# Altium PCB pay-optical-tls2591.PcbDoc (part 4 of 4)
Units mm, origin at the board's own origin, x right, y up, seen from the top; angles counter-clockwise.
Board outline 127 x 55 mm, 4 copper layers (Top Layer, GND, POWER, Bottom Layer), stack 0.778 mm thick; 340 components, 205 nets, 1087 pads, 428 vias.
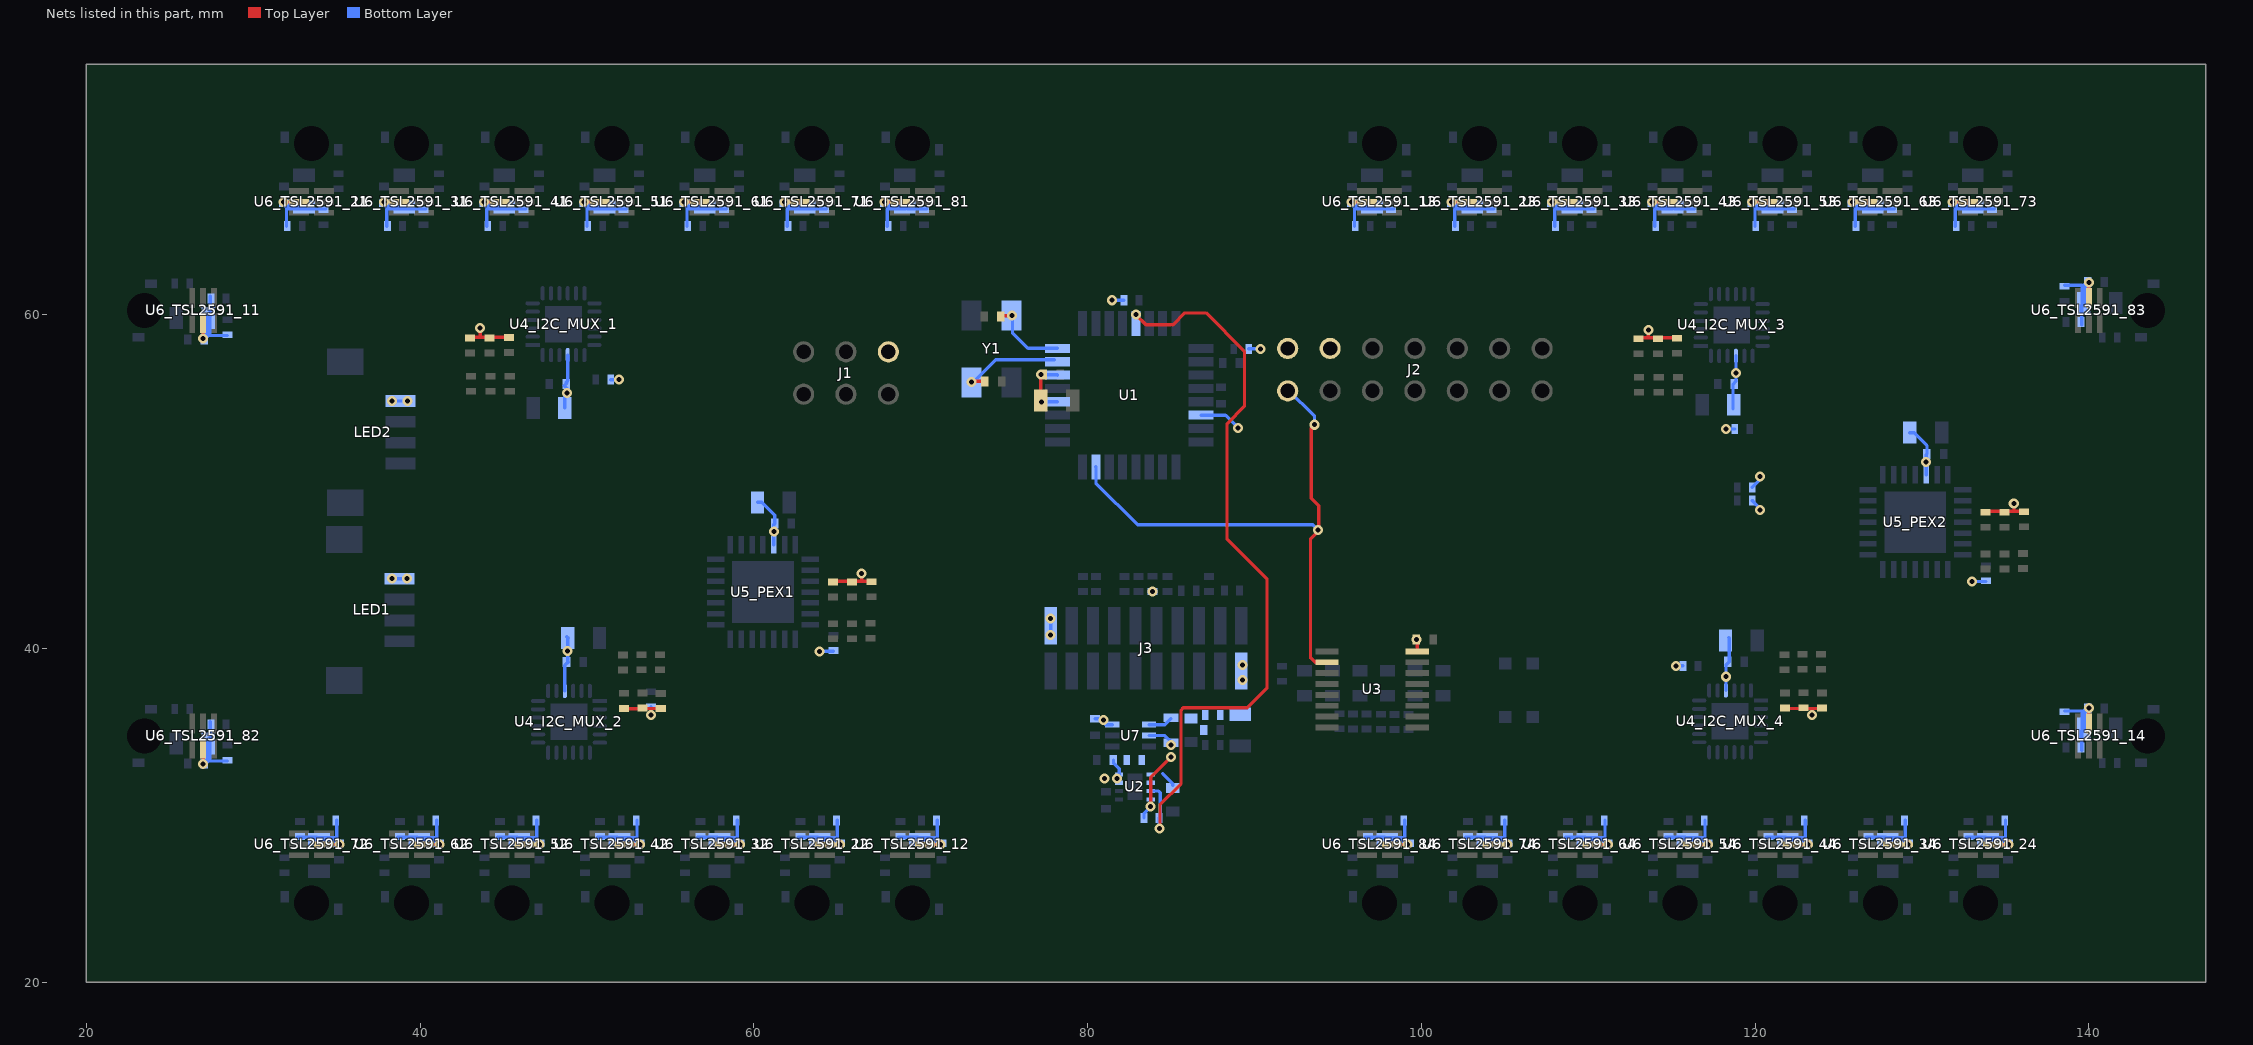
[diagram p6: the nets of this part, all layers, seen from the top]

## Via types
v1: diameter 0.6, hole 0.3, Top Layer to Bottom Layer, tented both sides, 404 vias
v2: diameter 1.3, hole 1, Top Layer to Bottom Layer, 16 vias
v3: diameter 6.5, hole 3.6, Top Layer to Bottom Layer, 8 vias

## Nets (pads, with @x,y where several pads share a name; then routed paths per layer and width w, separated by ;. In a path a pad name is that pad's centre, name@x,y a point inside that pad or via, vN(x,y) a via of type N, cw(c..) or ccw(c..) an arc to the next point about the centre after c; other vN are vias at no path point) (continued)
TX: J2.1 U1.31 U3.2 | length 33.7
  Top Layer w0.2: 93.394,39.406 93.634,39.166 U3.2@94.347,39.166 ; 93.4,39.4 93.352,39.448 93.352,46.552 93.8,47 v1(93.8,47.1) 93.852,47.152 93.852,48.548 93.4,49 93.4,53.2 v1(93.6,53.4)
  Bottom Layer w0.2: U1.31@80.496,50.875 80.5,50.871 80.5,49.902 83.002,47.4 93.5,47.4 v1(93.8,47.1) ; J2.1@92,55.5 93.6,53.9 v1(93.6,53.4)
VCC: C1.2 C2.2 C9.2 C16.2 C20.1 J1.2 J2.2 R1.2 R2.2 R3.2 R25.2 R26.2 R27.2 U1.4 U1.6 U2.1 U2.2 U2.4 U3.16 U7.3 U7.5 | length 14.2
  Top Layer w0.2: C2.2@77.2,54.85 v1(77.2,56.4) ; v1(83.784,30.516) 83.784,32.284 v1@85,33.5 ; v1(99.7,40.538) 99.747,40.491 U3.16@99.747,39.816
  Bottom Layer w0.2: v1(77.2,56.4) 78.196,56.4 U1.6@78.196,56.375 ; v1(77.225,54.775) U1.4@78.196,54.775 ; C20.1@80.455,35.787 80.738,35.787 81.096,35.429 U7.3@81.482,35.429 ; v1(81.46,60.86) R3.2@82.185,60.86 ; R25.2@83.384,29.85 83.384,30.116 v1(83.784,30.516) U2.4@83.784,30.95 ; U7.5@83.682,34.779 84.621,34.779 R26.2@85,34.4 ; 84.5,32.5 85.1,31.9 C16.2@85.1,31.8 ; v1(85,34.2) R26.2@85,34.35 ; R1.2@89.65,57.95 v1(90.35,57.95)
  other v1: 85,33.5 80.95,35.717 83.887,43.412
VCC3V3_R: C7.2 C8.2 L1.2 R26.1 U7.4 | length 1.5
  Bottom Layer w0.2: U7.4@83.682,35.429 84.629,35.429 R26.1@85,35.8
VCC3V3_S: C10_I2C_MUX_1.2 C10_I2C_MUX_2.2 C10_I2C_MUX_3.2 C10_I2C_MUX_4.2 C11_TSL2591_11.2 C11_TSL2591_12.2 C11_TSL2591_13.2 C11_TSL2591_14.2 C11_TSL2591_21.2 C11_TSL2591_22.2 C11_TSL2591_23.2 C11_TSL2591_24.2 C11_TSL2591_31.2 C11_TSL2591_32.2 C11_TSL2591_33.2 C11_TSL2591_34.2 C11_TSL2591_41.2 C11_TSL2591_42.2 C11_TSL2591_43.2 C11_TSL2591_44.2 C11_TSL2591_51.2 C11_TSL2591_52.2 C11_TSL2591_53.2 C11_TSL2591_54.2 C11_TSL2591_61.2 C11_TSL2591_62.2 C11_TSL2591_63.2 C11_TSL2591_64.2 C11_TSL2591_71.2 C11_TSL2591_72.2 C11_TSL2591_73.2 C11_TSL2591_74.2 C11_TSL2591_81.2 C11_TSL2591_82.2 C11_TSL2591_83.2 C11_TSL2591_84.2 C12_PEX1.2 C12_PEX2.2 C13_TSL2591_11.2 C13_TSL2591_12.2 C13_TSL2591_13.2 C13_TSL2591_14.2 C13_TSL2591_21.2 C13_TSL2591_22.2 C13_TSL2591_23.2 C13_TSL2591_24.2 C13_TSL2591_31.2 C13_TSL2591_32.2 C13_TSL2591_33.2 C13_TSL2591_34.2 C13_TSL2591_41.2 C13_TSL2591_42.2 C13_TSL2591_43.2 C13_TSL2591_44.2 C13_TSL2591_51.2 C13_TSL2591_52.2 C13_TSL2591_53.2 C13_TSL2591_54.2 C13_TSL2591_61.2 C13_TSL2591_62.2 C13_TSL2591_63.2 C13_TSL2591_64.2 C13_TSL2591_71.2 C13_TSL2591_72.2 C13_TSL2591_73.2 C13_TSL2591_74.2 C13_TSL2591_81.2 C13_TSL2591_82.2 C13_TSL2591_83.2 C13_TSL2591_84.2 C14_I2C_MUX_1.2 C14_I2C_MUX_2.2 C14_I2C_MUX_3.2 C14_I2C_MUX_4.2 C15_PEX1.2 C15_PEX2.2 C18.2 J2.4 LED1.1 LED2.1 R14.2 R15.2 R22_TSL2591_11.2 R22_TSL2591_12.2 R22_TSL2591_13.2 R22_TSL2591_14.2 R22_TSL2591_21.2 R22_TSL2591_22.2 R22_TSL2591_23.2 R22_TSL2591_24.2 R22_TSL2591_31.2 R22_TSL2591_32.2 R22_TSL2591_33.2 R22_TSL2591_34.2 R22_TSL2591_41.2 R22_TSL2591_42.2 R22_TSL2591_43.2 R22_TSL2591_44.2 R22_TSL2591_51.2 R22_TSL2591_52.2 R22_TSL2591_53.2 R22_TSL2591_54.2 R22_TSL2591_61.2 R22_TSL2591_62.2 R22_TSL2591_63.2 R22_TSL2591_64.2 R22_TSL2591_71.2 R22_TSL2591_72.2 R22_TSL2591_73.2 R22_TSL2591_74.2 R22_TSL2591_81.2 R22_TSL2591_82.2 R22_TSL2591_83.2 R22_TSL2591_84.2 R23_TSL2591_11.2 R23_TSL2591_12.2 R23_TSL2591_13.2 R23_TSL2591_14.2 R23_TSL2591_21.2 R23_TSL2591_22.2 R23_TSL2591_23.2 R23_TSL2591_24.2 R23_TSL2591_31.2 R23_TSL2591_32.2 R23_TSL2591_33.2 R23_TSL2591_34.2 R23_TSL2591_41.2 R23_TSL2591_42.2 R23_TSL2591_43.2 R23_TSL2591_44.2 R23_TSL2591_51.2 R23_TSL2591_52.2 R23_TSL2591_53.2 R23_TSL2591_54.2 R23_TSL2591_61.2 R23_TSL2591_62.2 R23_TSL2591_63.2 R23_TSL2591_64.2 R23_TSL2591_71.2 R23_TSL2591_72.2 R23_TSL2591_73.2 R23_TSL2591_74.2 R23_TSL2591_81.2 R23_TSL2591_82.2 R23_TSL2591_83.2 R23_TSL2591_84.2 R27.1 R32_PEX1.2 R32_PEX2.2 R33_PEX1.2 R33_PEX2.2 R34_PEX1.2 R34_PEX2.2 R35_PEX1.2 R35_PEX2.2 R39_I2C_MUX_1.2 R39_I2C_MUX_2.2 R39_I2C_MUX_3.2 R39_I2C_MUX_4.2 R40_I2C_MUX_1.2 R40_I2C_MUX_2.2 R40_I2C_MUX_3.2 R40_I2C_MUX_4.2 R41_I2C_MUX_1.2 R41_I2C_MUX_2.2 R41_I2C_MUX_3.2 R41_I2C_MUX_4.2 R45_I2C_MUX_1.2 R45_I2C_MUX_2.2 R45_I2C_MUX_3.2 R45_I2C_MUX_4.2 U1.22 U2.7 U2.8 U4_I2C_MUX_1.21 U4_I2C_MUX_2.21 U4_I2C_MUX_3.21 U4_I2C_MUX_4.21 U5_PEX1.5 U5_PEX2.5 U6_TSL2591_11.5 U6_TSL2591_12.5 U6_TSL2591_13.5 U6_TSL2591_14.5 U6_TSL2591_21.5 U6_TSL2591_22.5 U6_TSL2591_23.5 U6_TSL2591_24.5 U6_TSL2591_31.5 U6_TSL2591_32.5 U6_TSL2591_33.5 U6_TSL2591_34.5 U6_TSL2591_41.5 U6_TSL2591_42.5 U6_TSL2591_43.5 U6_TSL2591_44.5 U6_TSL2591_51.5 U6_TSL2591_52.5 U6_TSL2591_53.5 U6_TSL2591_54.5 U6_TSL2591_61.5 U6_TSL2591_62.5 U6_TSL2591_63.5 U6_TSL2591_64.5 U6_TSL2591_71.5 U6_TSL2591_72.5 U6_TSL2591_73.5 U6_TSL2591_74.5 U6_TSL2591_81.5 U6_TSL2591_82.5 U6_TSL2591_83.5 U6_TSL2591_84.5 | length 201.8
  Top Layer w0.2: U6_TSL2591_82.5@27,34 v1(27.001,33.078) v1(27.001,33.078) ; U6_TSL2591_11.5@27,59.5 27,58.579 v1(27.001,58.578) ; v1(31.828,66.749) 31.829,66.75 U6_TSL2591_21.5@32.75,66.75 ; U6_TSL2591_72.5@34.25,28.25 35.171,28.25 v1(35.172,28.252) ; v1(37.828,66.749) 37.829,66.75 U6_TSL2591_31.5@38.75,66.75 ; U6_TSL2591_62.5@40.25,28.25 41.171,28.25 v1(41.172,28.252) ; R39_I2C_MUX_1.2@43,58.65 43.6,58.65 ; v1(43.6,59.2) 43.6,58.65 ; v1(43.828,66.749) 43.829,66.75 U6_TSL2591_41.5@44.75,66.75 ; R41_I2C_MUX_1.2@45.425,58.65 43.6,58.65 ; U6_TSL2591_52.5@46.25,28.25 47.171,28.25 v1(47.172,28.252) ; v1(49.828,66.749) 49.829,66.75 U6_TSL2591_51.5@50.75,66.75 ; R39_I2C_MUX_2.2@52.1,36.376 53.529,36.376 53.554,36.401 53.841,36.401 ; U6_TSL2591_42.5@52.25,28.25 53.171,28.25 v1(53.172,28.252) ; v1(53.841,36) 53.841,36.401 ; R41_I2C_MUX_2.2@54.423,36.401 53.841,36.401 ; v1(55.828,66.749) 55.829,66.75 U6_TSL2591_61.5@56.75,66.75 ; U6_TSL2591_32.5@58.25,28.25 59.171,28.25 v1(59.172,28.252) ; v1(61.828,66.749) 61.829,66.75 U6_TSL2591_71.5@62.75,66.75 ; U6_TSL2591_22.5@64.25,28.25 65.171,28.25 v1(65.172,28.252) ; R35_PEX1.2@64.745,44.026 66.458,44.026 ; v1(66.445,44.5) 66.458,44.487 66.458,44.026 ; R33_PEX1.2@67.046,44.051 67.02,44.026 66.458,44.026 ; v1(67.828,66.749) 67.829,66.75 U6_TSL2591_81.5@68.75,66.75 ; U6_TSL2591_12.5@70.25,28.25 71.171,28.25 v1(71.172,28.252) ; v1(95.82,66.748) 95.821,66.75 U6_TSL2591_13.5@96.742,66.75 ; U6_TSL2591_84.5@98.25,28.25 99.171,28.25 v1(99.172,28.251) ; v1(101.82,66.748) v1(101.82,66.748) U6_TSL2591_23.5@102.742,66.75 ; U6_TSL2591_74.5@104.25,28.25 105.171,28.25 v1(105.172,28.251) ; v1(107.82,66.748) v1(107.82,66.748) U6_TSL2591_33.5@108.742,66.75 ; U6_TSL2591_64.5@110.25,28.25 111.171,28.25 v1(111.172,28.251) ; R39_I2C_MUX_3.2@113,58.603 113.6,58.603 ; v1(113.6,59.087) 113.6,58.603 ; v1(113.82,66.748) v1(113.82,66.748) U6_TSL2591_43.5@114.742,66.75 ; R41_I2C_MUX_3.2@115.425,58.603 113.6,58.603 ; U6_TSL2591_54.5@116.25,28.25 117.171,28.25 v1(117.172,28.251) ; v1(119.82,66.748) 119.821,66.75 U6_TSL2591_53.5@120.742,66.75 ; R39_I2C_MUX_4.2@121.675,36.4 123.4,36.4 ; U6_TSL2591_44.5@122.25,28.25 123.171,28.25 v1(123.172,28.251) ; v1(123.4,36) 123.4,36.4 ; R41_I2C_MUX_4.2@123.998,36.425 123.974,36.4 123.4,36.4 ; v1(125.82,66.748) 125.821,66.75 U6_TSL2591_63.5@126.742,66.75 ; U6_TSL2591_34.5@128.25,28.25 129.171,28.25 v1(129.172,28.251) ; v1(131.82,66.748) v1(131.82,66.748) U6_TSL2591_73.5@132.742,66.75 ; R35_PEX2.2@133.798,48.209 135.51,48.209 ; U6_TSL2591_24.5@134.25,28.25 135.171,28.25 v1(135.172,28.251) ; v1(135.497,48.684) 135.51,48.67 135.51,48.209 ; R33_PEX2.2@136.098,48.235 136.072,48.209 135.51,48.209 ; v1(139.999,36.422) v1(139.999,36.422) U6_TSL2591_14.5@140,35.5 ; v1(139.998,61.921) 140,61.92 U6_TSL2591_83.5@140,60.999
  Bottom Layer w0.2: C13_TSL2591_82.2@27.299,33.376 27.425,33.249 R22_TSL2591_82.2@28.449,33.249 ; C11_TSL2591_82.2@27.299,34.301 27.424,34.426 R23_TSL2591_82.2@27.424,35.603 ; 27.299,58.876 27.425,58.749 R22_TSL2591_11.2@28.449,58.749 ; C11_TSL2591_11.2@27.299,59.801 27.424,59.926 R23_TSL2591_11.2@27.424,61.103 ; R22_TSL2591_21.2@31.999,65.301 31.999,66.325 C13_TSL2591_21.2@32.126,66.451 ; R23_TSL2591_72.2@32.647,28.674 33.824,28.674 C11_TSL2591_72.2@33.949,28.549 ; C11_TSL2591_21.2@33.051,66.451 33.176,66.326 R23_TSL2591_21.2@34.353,66.326 ; C13_TSL2591_72.2@34.874,28.549 35.001,28.676 R22_TSL2591_72.2@35.001,29.699 ; R22_TSL2591_31.2@37.999,65.301 37.999,66.325 C13_TSL2591_31.2@38.126,66.451 ; v1(38.325,44.175) LED1.1@38.763,44.175 v1(39.225,44.175) ; v1(38.325,54.825) LED2.1@38.818,54.825 v1(39.25,54.825) ; R23_TSL2591_62.2@38.647,28.674 39.824,28.674 C11_TSL2591_62.2@39.949,28.549 ; C11_TSL2591_31.2@39.051,66.451 39.176,66.326 R23_TSL2591_31.2@40.353,66.326 ; C13_TSL2591_62.2@40.874,28.549 41.001,28.676 R22_TSL2591_62.2@41.001,29.699 ; R22_TSL2591_41.2@43.999,65.301 43.999,66.325 C13_TSL2591_41.2@44.126,66.451 ; R23_TSL2591_52.2@44.647,28.674 45.824,28.674 C11_TSL2591_52.2@45.949,28.549 ; C11_TSL2591_41.2@45.051,66.451 45.176,66.326 R23_TSL2591_41.2@46.353,66.326 ; C13_TSL2591_52.2@46.874,28.549 47.001,28.676 R22_TSL2591_52.2@47.001,29.699 ; U4_I2C_MUX_2.21@48.675,37.452 48.675,38.975 C10_I2C_MUX_2.2@48.876,39.175 ; C14_I2C_MUX_1.2@48.675,54.4 48.675,55.175 v1(48.8,55.3) 48.8,55.599 48.65,55.75 C10_I2C_MUX_1.2@48.8,55.9 ; C10_I2C_MUX_1.2@48.749,55.951 48.85,56.051 U4_I2C_MUX_1.21@48.85,57.574 ; C10_I2C_MUX_2.2@48.8,39.1 48.876,39.176 48.85,39.201 v1(48.85,39.85) C14_I2C_MUX_2.2@48.85,40.627 ; C14_I2C_MUX_2.2@48.8,40.7 C14_I2C_MUX_2.2@48.876,40.624 ; R22_TSL2591_51.2@49.999,65.301 49.999,66.325 C13_TSL2591_51.2@50.126,66.451 ; R23_TSL2591_42.2@50.647,28.674 51.824,28.674 C11_TSL2591_42.2@51.949,28.549 ; C11_TSL2591_51.2@51.051,66.451 51.176,66.326 R23_TSL2591_51.2@52.353,66.326 ; R45_I2C_MUX_1.2@51.424,56.099 v1(51.925,56.099) ; C13_TSL2591_42.2@52.874,28.549 53.001,28.676 R22_TSL2591_42.2@53.001,29.699 ; v1(53.841,36) R45_I2C_MUX_2.2@53.841,36.501 ; R22_TSL2591_61.2@55.999,65.301 55.999,66.325 C13_TSL2591_61.2@56.126,66.451 ; R23_TSL2591_32.2@56.647,28.674 57.824,28.674 C11_TSL2591_32.2@57.949,28.549 ; C11_TSL2591_61.2@57.051,66.451 57.176,66.326 R23_TSL2591_61.2@58.353,66.326 ; C13_TSL2591_32.2@58.874,28.549 59.001,28.676 R22_TSL2591_32.2@59.001,29.699 ; C12_PEX1.2@60.221,48.747 60.475,48.747 61.246,47.976 C15_PEX1.2@61.246,47.476 61.197,47.427 v1(61.197,47) U5_PEX1.5@61.197,46.211 ; R22_TSL2591_71.2@61.999,65.301 61.999,66.325 C13_TSL2591_71.2@62.126,66.451 ; R23_TSL2591_22.2@62.647,28.674 63.824,28.674 C11_TSL2591_22.2@63.949,28.549 ; C11_TSL2591_71.2@63.051,66.451 63.176,66.326 R23_TSL2591_71.2@64.353,66.326 ; v1(63.931,39.82) R32_PEX1.2@64.774,39.82 ; C13_TSL2591_22.2@64.874,28.549 65.001,28.676 R22_TSL2591_22.2@65.001,29.699 ; R22_TSL2591_81.2@67.999,65.301 67.999,66.325 C13_TSL2591_81.2@68.126,66.451 ; R23_TSL2591_12.2@68.647,28.674 69.824,28.674 C11_TSL2591_12.2@69.949,28.549 ; C11_TSL2591_81.2@69.051,66.451 69.176,66.326 R23_TSL2591_81.2@70.353,66.326 ; 70.874,28.549 71.001,28.676 R22_TSL2591_12.2@71.001,29.699 ; C18.2@81.55,33.3 81.55,33.15 81.9,32.8 81.9,32.3 v1@81.8,32.2 ; U1.22@86.796,53.975 88.267,53.975 89,53.242 v1(89,53.2) ; R22_TSL2591_13.2@95.991,65.301 95.991,66.324 C13_TSL2591_13.2@96.118,66.451 ; R23_TSL2591_84.2@96.647,28.674 97.824,28.674 C11_TSL2591_84.2@97.949,28.549 ; C11_TSL2591_13.2@97.043,66.451 97.168,66.326 R23_TSL2591_13.2@98.345,66.326 ; 98.874,28.549 99.001,28.675 R22_TSL2591_84.2@99.001,29.699 ; R22_TSL2591_23.2@101.991,65.301 101.991,66.324 C13_TSL2591_23.2@102.118,66.451 ; R23_TSL2591_74.2@102.647,28.674 103.824,28.674 C11_TSL2591_74.2@103.949,28.549 ; C11_TSL2591_23.2@103.043,66.451 103.168,66.326 R23_TSL2591_23.2@104.345,66.326 ; C13_TSL2591_74.2@104.874,28.549 105.001,28.675 R22_TSL2591_74.2@105.001,29.699 ; R22_TSL2591_33.2@107.991,65.301 107.991,66.324 C13_TSL2591_33.2@108.118,66.451 ; R23_TSL2591_64.2@108.647,28.674 109.824,28.674 C11_TSL2591_64.2@109.949,28.549 ; C11_TSL2591_33.2@109.043,66.451 109.168,66.326 R23_TSL2591_33.2@110.345,66.326 ; C13_TSL2591_64.2@110.874,28.549 111.001,28.675 R22_TSL2591_64.2@111.001,29.699 ; R22_TSL2591_43.2@113.991,65.301 113.991,66.324 C13_TSL2591_43.2@114.118,66.451 ; R23_TSL2591_54.2@114.647,28.674 115.824,28.674 C11_TSL2591_54.2@115.949,28.549 ; C11_TSL2591_43.2@115.043,66.451 115.168,66.326 R23_TSL2591_43.2@116.345,66.326 ; v1(115.27,38.95) R45_I2C_MUX_4.2@115.675,38.95 ; C13_TSL2591_54.2@116.874,28.549 117.001,28.675 R22_TSL2591_54.2@117.001,29.699 ; v1(118.248,53.148) R45_I2C_MUX_3.2@118.776,53.148 ; U4_I2C_MUX_4.21@118.25,37.475 v1(118.25,38.3) 118.25,38.998 118.45,39.199 118.45,40.624 C14_I2C_MUX_4.2@118.424,40.65 ; C14_I2C_MUX_3.2@118.675,54.352 118.675,55.83 118.849,56.004 v1(118.849,56.5) U4_I2C_MUX_3.21@118.849,57.527 ; R15.2@119.824,49.65 120.3,50.125 v1(120.3,50.3) ; R14.2@119.85,48.85 R14.2@119.824,48.85 120.3,48.375 v1(120.3,48.3) ; R22_TSL2591_53.2@119.991,65.301 119.991,66.324 C13_TSL2591_53.2@120.118,66.451 ; R23_TSL2591_44.2@120.647,28.674 121.824,28.674 C11_TSL2591_44.2@121.949,28.549 ; C11_TSL2591_53.2@121.043,66.451 121.168,66.326 R23_TSL2591_53.2@122.345,66.326 ; C13_TSL2591_44.2@122.874,28.549 123.001,28.675 R22_TSL2591_44.2@123.001,29.699 ; R22_TSL2591_63.2@125.991,65.301 125.991,66.324 C13_TSL2591_63.2@126.118,66.451 ; R23_TSL2591_34.2@126.647,28.674 127.824,28.674 C11_TSL2591_34.2@127.949,28.549 ; C11_TSL2591_63.2@127.043,66.451 127.168,66.326 R23_TSL2591_63.2@128.345,66.326 ; C13_TSL2591_34.2@128.874,28.549 129.001,28.675 R22_TSL2591_34.2@129.001,29.699 ; C12_PEX2.2@129.273,52.93 129.527,52.93 130.298,52.16 C15_PEX2.2@130.298,51.66 130.249,51.611 v1(130.249,51.17) U5_PEX2.5@130.249,50.395 ; R22_TSL2591_73.2@131.991,65.301 131.991,66.324 C13_TSL2591_73.2@132.118,66.451 ; R23_TSL2591_24.2@132.647,28.674 133.824,28.674 C11_TSL2591_24.2@133.949,28.549 ; v1(132.983,44.004) R32_PEX2.2@133.826,44.004 ; C11_TSL2591_73.2@133.043,66.451 133.168,66.326 R23_TSL2591_73.2@134.345,66.326 ; C13_TSL2591_24.2@134.874,28.549 135.001,28.675 R22_TSL2591_24.2@135.001,29.699 ; R22_TSL2591_14.2@138.551,36.251 139.575,36.251 C13_TSL2591_14.2@139.701,36.124 ; R22_TSL2591_83.2@138.551,61.75 139.574,61.75 139.701,61.624 ; R23_TSL2591_83.2@139.576,59.397 139.576,60.574 C11_TSL2591_83.2@139.701,60.698 ; R23_TSL2591_14.2@139.576,33.897 139.576,35.074 C11_TSL2591_14.2@139.701,35.199
  Bottom Layer w0.4: v1(27.001,33.078) 27.299,33.376 C11_TSL2591_82.2@27.299,34.301 ; v1(27.001,58.578) 27.299,58.876 C11_TSL2591_11.2@27.299,59.801 ; v1(31.828,66.749) 32.126,66.451 C11_TSL2591_21.2@33.051,66.451 ; C11_TSL2591_72.2@33.949,28.549 34.874,28.549 v1(35.172,28.252) ; v1(37.828,66.749) 38.126,66.451 C11_TSL2591_31.2@39.051,66.451 ; C11_TSL2591_62.2@39.949,28.549 40.874,28.549 v1(41.172,28.252) ; v1(43.828,66.749) 44.126,66.451 C11_TSL2591_41.2@45.051,66.451 ; C11_TSL2591_52.2@45.949,28.549 46.874,28.549 v1(47.172,28.252) ; v1(49.828,66.749) 50.126,66.451 C11_TSL2591_51.2@51.051,66.451 ; C11_TSL2591_42.2@51.949,28.549 52.874,28.549 v1(53.172,28.252) ; v1(55.828,66.749) 56.126,66.451 C11_TSL2591_61.2@57.051,66.451 ; C11_TSL2591_32.2@57.949,28.549 58.874,28.549 v1(59.172,28.252) ; v1(61.828,66.749) 62.126,66.451 C11_TSL2591_71.2@63.051,66.451 ; C11_TSL2591_22.2@63.949,28.549 64.874,28.549 v1(65.172,28.252) ; v1(67.828,66.749) 68.126,66.451 C11_TSL2591_81.2@69.051,66.451 ; C11_TSL2591_12.2@69.949,28.549 70.874,28.549 v1(71.172,28.252) ; v1(95.82,66.748) 96.118,66.451 C11_TSL2591_13.2@97.043,66.451 ; C11_TSL2591_84.2@97.949,28.549 98.874,28.549 v1(99.172,28.251) ; v1(101.82,66.748) 102.118,66.451 C11_TSL2591_23.2@103.043,66.451 ; C11_TSL2591_74.2@103.949,28.549 104.874,28.549 v1(105.172,28.251) ; v1(107.82,66.748) 108.118,66.451 C11_TSL2591_33.2@109.043,66.451 ; C11_TSL2591_64.2@109.949,28.549 110.874,28.549 v1(111.172,28.251) ; v1(113.82,66.748) 114.118,66.451 C11_TSL2591_43.2@115.043,66.451 ; C11_TSL2591_54.2@115.949,28.549 116.874,28.549 v1(117.172,28.251) ; v1(119.82,66.748) 120.118,66.451 C11_TSL2591_53.2@121.043,66.451 ; C11_TSL2591_44.2@121.949,28.549 122.874,28.549 v1(123.172,28.251) ; v1(125.82,66.748) 126.118,66.451 C11_TSL2591_63.2@127.043,66.451 ; C11_TSL2591_34.2@127.949,28.549 128.874,28.549 v1(129.172,28.251) ; v1(131.82,66.748) 132.118,66.451 C11_TSL2591_73.2@133.043,66.451 ; C11_TSL2591_24.2@133.949,28.549 134.874,28.549 v1(135.172,28.251) ; C11_TSL2591_83.2@139.701,60.698 139.701,61.624 v1(139.998,61.921) ; C11_TSL2591_14.2@139.701,35.199 139.701,36.124 v1(139.999,36.422)
  other v1: 81,32.2 81.757,32.2
VCC_EN: R25.1 U1.13 U2.3 | length 45.7
  Top Layer w0.2: v1(82.9,60) 83.5,59.4 85.119,59.4 85.819,60.1 87.1,60.1 89.4,57.8 89.4,54.5 88.357,53.457 88.357,46.544 90.752,44.149 90.752,37.629 89.571,36.448 85.722,36.448 85.687,36.413 ; v1(84.3,29.2) 84.336,29.236 84.336,30.636 85.6,31.9 85.6,36.3 85.7,36.4
  Bottom Layer w0.2: U2.3@83.784,31.45 84.25,31.45 84.347,31.353 84.347,29.913 R25.1@84.284,29.85 84.284,29.216 v1(84.3,29.2)
VIN: C17.2 J3.2 J3.19 L1.1 | length 1
  Bottom Layer w0.2: v1(77.785,40.815) J3.2@77.785,41.359 v1(77.785,41.785)
  other v1: 89.285,38.115 89.285,39.015
XTAL1: C5.2 U1.7 Y1.1 | length 6.2
  Top Layer w0.2: v1@73.1,56 C5.2@73.85,56
  Bottom Layer w0.2: Y1.1@73.05,55.94 v1(73.05,55.95) ; Y1.1@73.1,55.9 74.5,57.3 U1.7@78,57.3
XTAL2: C6.2 U1.8 Y1.3 | length 4.8
  Top Layer w0.2: C6.2@74.8,59.9 74.84,59.94 v1(75.46,59.94)
  Bottom Layer w0.2: Y1.3@75.45,59.94 v1(75.46,59.94) ; Y1.3@75.5,59.9 75.5,58.9 76.425,57.975 U1.8@78.196,57.975
pads on no net: D7_TSL2591_11. D7_TSL2591_12. D7_TSL2591_13. D7_TSL2591_14. D7_TSL2591_21. D7_TSL2591_22. D7_TSL2591_23. D7_TSL2591_24. D7_TSL2591_31. D7_TSL2591_32. D7_TSL2591_33. D7_TSL2591_34. D7_TSL2591_41. D7_TSL2591_42. D7_TSL2591_43. D7_TSL2591_44. D7_TSL2591_51. D7_TSL2591_52. D7_TSL2591_53. D7_TSL2591_54. D7_TSL2591_61. D7_TSL2591_62. D7_TSL2591_63. D7_TSL2591_64. D7_TSL2591_71. D7_TSL2591_72. D7_TSL2591_73. D7_TSL2591_74. D7_TSL2591_81. D7_TSL2591_82. D7_TSL2591_83. D7_TSL2591_84. LED1. LED2. U5_PEX1.7 U5_PEX1.10 U5_PEX2.7 U5_PEX2.10 U6_TSL2591_11.2 U6_TSL2591_11.4 U6_TSL2591_12.2 U6_TSL2591_12.4 U6_TSL2591_13.2 U6_TSL2591_13.4 U6_TSL2591_14.2 U6_TSL2591_14.4 U6_TSL2591_21.2 U6_TSL2591_21.4 U6_TSL2591_22.2 U6_TSL2591_22.4 U6_TSL2591_23.2 U6_TSL2591_23.4 U6_TSL2591_24.2 U6_TSL2591_24.4 U6_TSL2591_31.2 U6_TSL2591_31.4 U6_TSL2591_32.2 U6_TSL2591_32.4 U6_TSL2591_33.2 U6_TSL2591_33.4 U6_TSL2591_34.2 U6_TSL2591_34.4 U6_TSL2591_41.2 U6_TSL2591_41.4 U6_TSL2591_42.2 U6_TSL2591_42.4 U6_TSL2591_43.2 U6_TSL2591_43.4 U6_TSL2591_44.2 U6_TSL2591_44.4 U6_TSL2591_51.2 U6_TSL2591_51.4 U6_TSL2591_52.2 U6_TSL2591_52.4 U6_TSL2591_53.2 U6_TSL2591_53.4 U6_TSL2591_54.2 U6_TSL2591_54.4 U6_TSL2591_61.2 U6_TSL2591_61.4 U6_TSL2591_62.2 U6_TSL2591_62.4 U6_TSL2591_63.2 U6_TSL2591_63.4 U6_TSL2591_64.2 U6_TSL2591_64.4 U6_TSL2591_71.2 U6_TSL2591_71.4 U6_TSL2591_72.2 U6_TSL2591_72.4 U6_TSL2591_73.2 U6_TSL2591_73.4 U6_TSL2591_74.2 U6_TSL2591_74.4 U6_TSL2591_81.2 U6_TSL2591_81.4 U6_TSL2591_82.2 U6_TSL2591_82.4 U6_TSL2591_83.2 U6_TSL2591_83.4 U6_TSL2591_84.2 U6_TSL2591_84.4
copper on no net:
  other v2: 30,21.75 73,21.75 94,21.75 137,21.75 73,31.75 94,31.75 30.5,38.25 136.5,38.25 30.5,56.75 136.5,56.75 73,63.25 94,63.25 30,73.25 73,73.25 94,73.25 137,73.25
  other v3: 25.5,26.75 77.5,26.75 89.5,26.75 141.5,26.75 25.5,68.25 77.5,68.25 89.5,68.25 141.5,68.25

## Polygon pours and split planes (outlines as drawn)
GND on Bottom Layer "GND_L04_P086" (solid, pour order 86): 77.5,54.2 79.3,54.2 79.3,55.3 77.5,55.3 77.5,55.851 79.3,55.851 79.3,58.4 85.7,58.4 85.7,55 87.4,55 87.4,54.5 85.7,54.5 85.7,52.3 79.3,52.3 79.3,53.7 77.5,53.7
VCC3V3_S on Bottom Layer "VCC3V3_S_L04_P082" (solid, pour order 82): 82.6,33.6 81.3,33.6 81.3,32.6 82.2,32.6 82.6,33
VCC on Bottom Layer "VCC_L04_P080" (solid, pour order 80): 83,33.6 84.6,33.6 84.6,32.5 83.5,32.5 83,33
VCC3V3_S on Bottom Layer "VCC3V3_S_L04_P078" (solid, pour order 78): 82.171,32.6 82.171,31.8 80.6,31.8 80.6,32.6
VCC on Bottom Layer "VCC_L04_P076" (solid, pour order 76): 85.5,31.8 83.5,31.8 83.5,32.6 84.5,32.6 84.5,34.7 85.5,34.7
VIN on Bottom Layer "VIN_L04_P072" (solid, pour order 72): 88.8,39.8 88.8,36.3 89.8,36.3 89.8,39.8
VCC3V3_R on Bottom Layer "VCC3V3_R_L04_P070" (solid, pour order 70): 85.7,36.5 84.5,36.5 84.5,35.5 86.1,35.5 86.8,34.8 87.3,34.8 87.3,36.5
no net on Bottom Layer "NONET_L04_P068" (solid, pour order 68): 87.2,36.5
GND on Bottom Layer "GND_L04_P066" (solid, pour order 66): 89.8,34.6 88.3,34.6 88.3,35.495 87.7,35.495 87.7,33.7 89.8,33.7
VIN on Bottom Layer "VIN_L04_P062" (solid, pour order 62): 89.8,35.6 87.7,35.6 87.7,36.5 89.8,36.5
GND on Bottom Layer "GND_L04_P048" (solid, pour order 48): 24.25,57.875 24.25,58.9 22.775,58.9 22.775,57.875
NetD7_TSL2591_11_1 on Bottom Layer "NETD7_TSL2591_11_1_L04_P044" (solid, pour order 44): 24.225,61.6 24.225,62.625 22.75,62.625 22.75,61.6
VCC3V3_S on POWER "VCC3V3_S_L03_P060" (solid, pour order 60): 20,75 20,20 147,20 147,75
VCC on POWER "VCC_L03_P052" (solid, pour order 52): 79.6,33.8 79.6,53.7 79.5,53.8 76.6,53.8 76.6,56.9 67,56.9 67,58.8 80,58.8 80,61.5 81.8,61.5 81.8,58.8 92.7,58.8 92.7,57.1 85.8,57.1 85.8,40.6 100.4,40.6 100.4,38.7 85.8,38.7 85.8,32.6 84.3,32.6 84.3,33.777 82.823,33.777 82.8,33.8
VIN on Top Layer "VIN_L01_P074" (solid, pour order 74): 77.1,42.5 77.1,37.7 89.8,37.7 89.8,39.5 78.7,39.5 78.7,42.5
VCC3V3_S on Top Layer "VCC3V3_S_L01_P022" (solid, pour order 22): 72.299,23.771
GND on GND "GND_L02_P050" (solid, pour order 50): 20,75 20,20 147,20 147,75

## Keep-outs
GND:
  rectangle: 75,55.5 75.9,56.4
  rectangle: 72.6,59.4 73.6,60.4

## Other copper
GND:
  text "DYLAN VOGEL 2019" at 22.7,41.9 h0.8 r90

## Silkscreen, mask and mechanical layers (free items; w line width, h text height)
Top Overlay:
  drawing of 84 lines, arcs and shapes, not listed
  text "A2" at 43.317,59.246 h0.5 r90
  text "A1" at 44.475,59.247 h0.5 r90
  text "A2" at 113.217,59.246 h0.5 r90
  text "A1" at 114.375,59.247 h0.5 r90
  text "A0" at 45.64,59.243 h0.5 r90
  text "A0" at 115.54,59.243 h0.5 r90
  text "1" at 42,57.853 h0.5
  text "1" at 111.9,57.853 h0.5
  text "0" at 41.994,55.606 h0.5
  text "0" at 111.894,55.606 h0.5
  text "MUX3" at 112.7,53.9 h0.75
  text "MUX1" at 42.9,53.8 h0.75
  text "A2" at 134.117,48.746 h0.5 r90
  text "A1" at 135.275,48.747 h0.5 r90
  text "A0" at 136.44,48.743 h0.5 r90
  text "1" at 132.8,47.353 h0.5
  text "0" at 132.794,45.106 h0.5
  text "A2" at 65.017,44.646 h0.5 r90
  text "A1" at 66.175,44.647 h0.5 r90
  text "A0" at 67.34,44.643 h0.5 r90
  text "1" at 63.7,43.253 h0.5
  text "PEX2" at 133.4,43.2 h0.75
  text "HERON MK II / PAY-OPTICAL V3" at 34.7,41.6 h0.8
  text "0" at 63.694,41.006 h0.5
  text "A1" at 53.675,40.247 h0.5 r90
  text "A1" at 123.175,40.247 h0.5 r90
  text "A2" at 52.517,40.246 h0.5 r90
  text "A0" at 54.84,40.243 h0.5 r90
  text "A2" at 122.017,40.246 h0.5 r90
  text "A0" at 124.34,40.243 h0.5 r90
  text "PEX1" at 64.5,39.1 h0.75
  text "1" at 51.2,38.853 h0.5
  text "1" at 120.7,38.853 h0.5
  text "!" at 23.6,37.8 h20
  text "0" at 51.194,36.606 h0.5
  text "0" at 120.694,36.606 h0.5
  text "MUX4" at 121.4,34.9 h0.75
  text "MUX2" at 51.8,34.8 h0.75
Bottom Overlay:
  circle w0.2: c76.8,52.4 r0.25
  lines w0.2: 62.7,53.5 62.7,53.5 ; 62.7,53.5 63.9,52.3 67.1,52.3 68.3,53.5 ; 68.3,53.5 68.3,53.5
  text "MOSI" at 92.331,39.885 h1 r270
  text "RX" at 93.993,39.885 h1 r270
  text "TX" at 95.655,39.885 h1 r270
  text "RSTn" at 97.317,39.885 h1 r270
  text "SDA" at 98.979,39.885 h1 r270
  text "SCL" at 100.641,39.885 h1 r270
Route Tool Path:
  the board outline again, w0.2
Mechanical 3:
  circle w0.2: c25.5,60.25 r2.5
  lines w0.2: 19.6,34.95 146.6,34.95 ; 20,59.95 147,59.95